# Altium PCB STM32MP25XXAK_LPDDR4_ascii.PcbDoc (part 1 of 5) (continued)
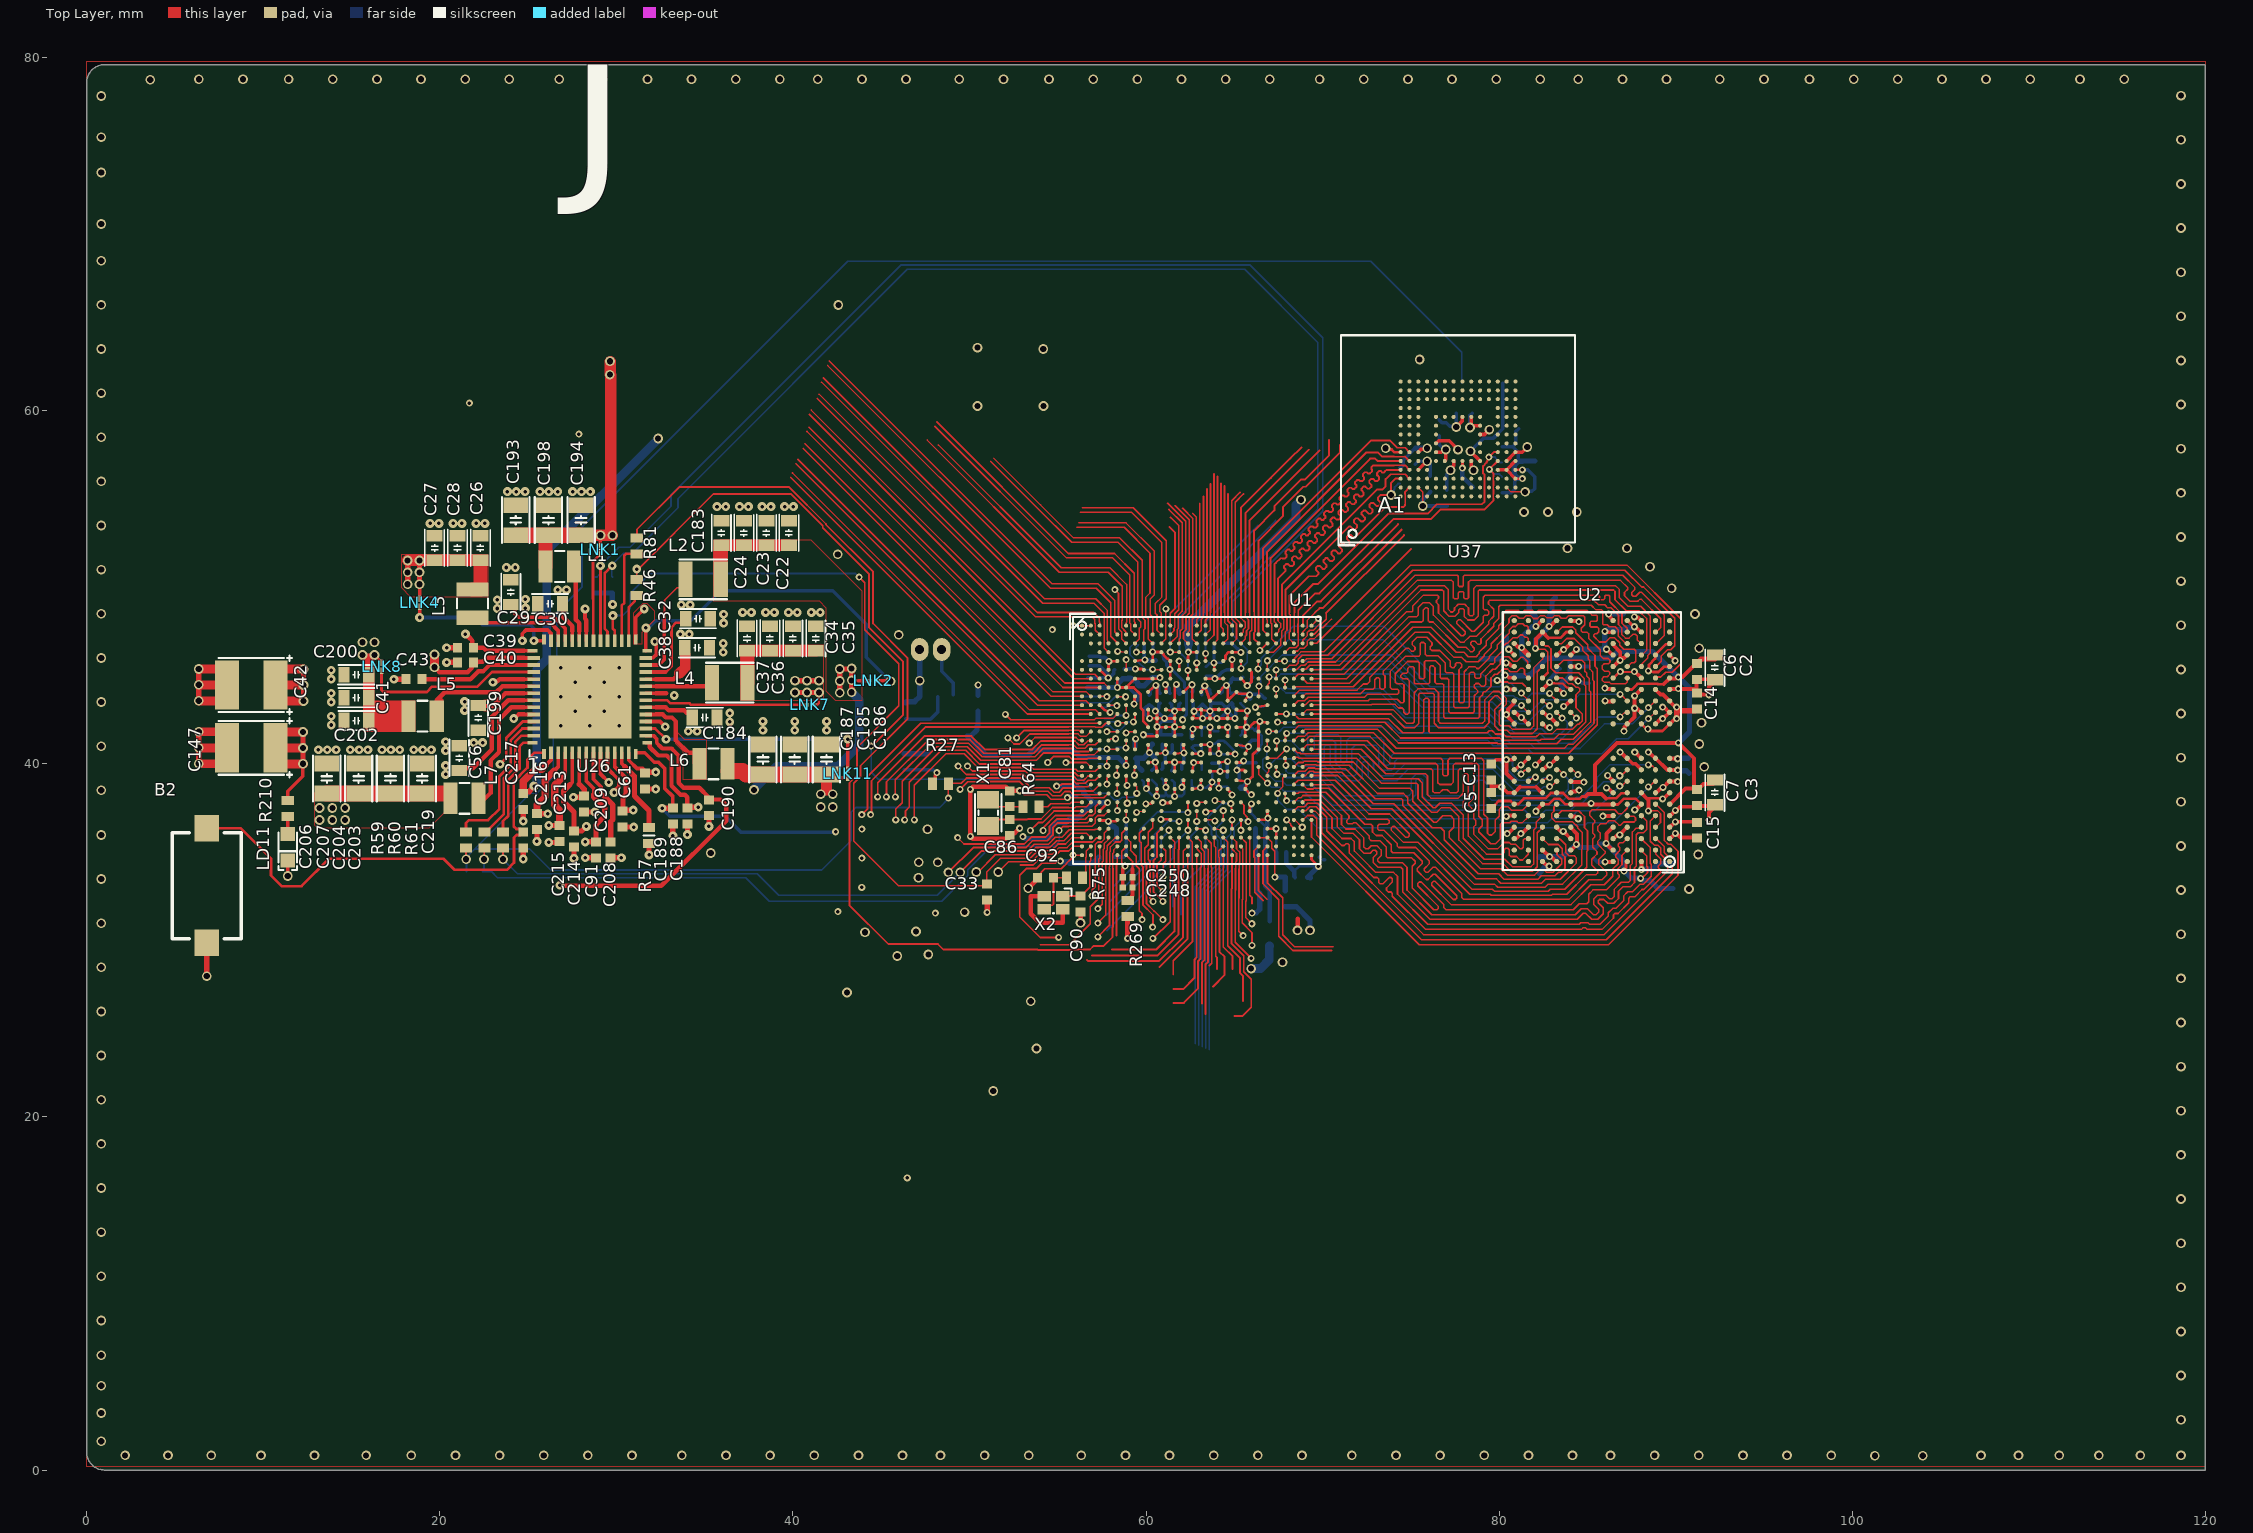
[diagram p0: Top Layer view]
## Design rules (kind name [scope] priority, off if disabled: settings) (continued)
SolderMaskExpansion [All] p0: scope1count=1 scope1_0_kind=Board scope1_0_value=Board scope2count=1 scope2_0_kind=Board scope2_0_value=Board commentlength=0 expansion=0.1
SolderMaskExpansion [All] p1: expansion=0.1 istentingtop=FALSE
UnRoutedNet [All] p0 off: scope1count=1 scope1_0_kind=Board scope1_0_value=Board scope2count=1 scope2_0_kind=Board scope2_0_value=Board commentlength=0
UnRoutedNet [All] p1 off:
UnpouredPolygon [All] p0: scope1count=1 scope1_0_kind=Board scope1_0_value=Board scope2count=1 scope2_0_kind=Board scope2_0_value=Board commentlength=0
ViasUnderSMD [All] p0: scope1count=1 scope1_0_kind=PadClass scope1_0_value=PC_VIAS-IN-PAD_OK scope2count=1 scope2_0_kind=Board scope2_0_value=Board commentlength=0 allowed=TRUE
ViasUnderSMD [InPadClass('PC_VIAS-IN-PAD_OK')] p1: allowed=TRUE
Width Width_Default [All] p0: scope1count=1 scope1_0_kind=Net scope1_0_value=GND scope2count=1 scope2_0_kind=Board scope2_0_value=Board commentlength=0 maxlimit=10 minlimit=0.09 preferedwidth=0.3
Width Width_SINGLE_DDR_55R [All] p0 off: scope1count=1 scope1_0_kind=NetClass scope1_0_value=55H scope2count=1 scope2_0_kind=Board scope2_0_value=Board commentlength=0 maxlimit=0.199 minlimit=0.078 preferedwidth=0.199
Width Width_SINGLE_50R [All] p0 off: scope1count=1 scope1_0_kind=NetClass scope1_0_value=50H scope2count=1 scope2_0_kind=Board scope2_0_value=Board commentlength=0 maxlimit=0.199 minlimit=0.078 preferedwidth=0.199
Width Width_SINGLE_50R [InNetClass('50H')] p1 off: maxlimit=0.199 minlimit=0.078 preferedwidth=0.199 toplayer_minwidth=0.09 toplayer_maxwidth=0.11 toplayer_prefwidth=0.11 bottomlayer_minwidth=0.11 bottomlayer_maxwidth=0.11 bottomlayer_prefwidth=0.11 impedanceprofiledriven=TRUE impedanceprofileid={152E730A-FDA4-4006-BF82-0EE0D5C1A339} impedanceprofilevalue=50.000000 minimp=50.000000 maximp=50.000000 favimp=50.000000
Width Width_SINGLE_DDR_55R [InNetClass('55H')] p2 off: maxlimit=0.199 minlimit=0.078 preferedwidth=0.199 toplayer_minwidth=0.09 toplayer_maxwidth=0.09 toplayer_prefwidth=0.09 bottomlayer_minwidth=0.09 bottomlayer_maxwidth=0.09 bottomlayer_prefwidth=0.09 impedanceprofiledriven=TRUE impedanceprofileid={D5948A69-504E-4D29-B9E5-77B49DDD78E4} impedanceprofilevalue=55.000000 minimp=50.000000 maximp=50.000000 favimp=50.000000
Width Width_Default [InNet('GND')] p3: maxlimit=10 minlimit=0.09 preferedwidth=0.3 toplayer_prefwidth=0.09 bottomlayer_prefwidth=0.09 minimp=50.000000 maximp=50.000000 favimp=50.000000
15 further rules are at their usual default settings.

## Classes and differential pairs
net class 100H: DDR_CLK_A_N DDR_CLK_A_P DDR_CLK_B_N DDR_CLK_B_P DDR_DQS0_A_N DDR_DQS0_A_P DDR_DQS0_B_N DDR_DQS0_B_P DDR_DQS1_A_N DDR_DQS1_A_P DDR_DQS1_B_N DDR_DQS1_B_P
net class eMMC.SDMMC2_D[0..7]: eMMC.SDMMC2_CK eMMC.SDMMC2_CMD eMMC.SDMMC2_D0 eMMC.SDMMC2_D1 eMMC.SDMMC2_D2 eMMC.SDMMC2_D3 eMMC.SDMMC2_D4 eMMC.SDMMC2_D5 eMMC.SDMMC2_D6 eMMC.SDMMC2_D7
component class U_eMMC: C9 C117 C118 C128 C130 C148 D7 R101 R103 R104 R248 TP21 U37
component class "U_STM32MP25XXAK I_Os": C33 C81 C86 C90 C92 R27 R64 R75 R260 R261 R272 U1 X1 X2
component class "U_STM32MP25XXAK Power": C44 C45 C46 C47 C48 C49 C50 C51 C52 C53 C54 C55 C57 C58 C59 C60 C62 C63 C64 C65 C66 C67 C68 C69 C70 C71 C72 C73 C74 C75 C76 C77 C82 C83 C87 C88 C151 C192 C195 C196 C197 C201 C205 C220 C225 C234 C235 C236 C237 C238 C239 C240 C244 C246 C248 C250 C251 C252 C253 C260 CN12 D6 R11 R66 R67 R267 R269 R286
component class U_PMIC: B2 C22 C23 C24 C26 C27 C28 C29 C30 C32 C34 C35 C36 C37 C38 C39 C40 C41 C42 C43 C56 C61 C91 C147 C183 C184 C185 C186 C187 C188 C189 C190 C193 C194 C198 C199 C200 C202 C203 C204 C206 C207 C208 C209 C213 C214 C215 C216 C217 C219 L1 L2 L3 L4 L5 L6 L7 LD11 LNK1 LNK2 LNK4 LNK7 LNK8 LNK11 R46 R57 R59 R60 R61 R81 R210 U26
differential pair CLKB: +DDR_CLK_B_P -DDR_CLK_B_N
differential pair CLKA: +DDR_CLK_A_P -DDR_CLK_A_N
differential pair DQS1B: +DDR_DQS1_B_P -DDR_DQS1_B_N
differential pair DQS0B: +DDR_DQS0_B_P -DDR_DQS0_B_N
differential pair DQS1A: +DDR_DQS1_A_P -DDR_DQS1_A_N
differential pair " ": +DDR_DQS0_A_P -DDR_DQS0_A_N

## Components (designator, comment, footprint, x,y, rotation, side; value= is the part's Value field where it differs from the comment)
B2 "SW_PUSH_SMD_2P" SWI_WE_434121025816 6.795,33.104 r90 top
C2 "Capacitor" C0603 92.225,45.46 r90 top
C3 "Capacitor" C0603 92.225,38.385 r90 top
C4 "100nF" C0402 81.63,45.397 r90 bottom
C5 "100nF" C0402 79.559,37.929 r90 top
C6 "100nF" C0402 91.209,45.24 r270 top
C7 "100nF" C0402 91.209,38.09 r270 top
C8 "100nF" C0402 83.461,44.99 r90 bottom
C9 "Capacitor" C0402 76.615,59.03 r270 bottom
C10 "Capacitor" C0603 82.486,49.415 r0 bottom
C11 "Capacitor" C0603 89.736,33.615 r270 bottom
C12 "100nF" C0402 80.861,47.18 r0 bottom
C13 "100nF" C0402 79.559,39.529 r270 top
C14 "100nF" C0402 91.209,43.565 r90 top
C15 "100nF" C0402 91.209,36.24 r270 top
C16 "100nF" C0402 82.461,48.39 r180 bottom
C17 "100nF" C0402 87.036,48.04 r90 bottom
C18 "100nF" C0402 88.711,33.69 r90 bottom
C19 "100nF" C0402 82.261,34.255 r270 bottom
C20 "100nF" C0402 90.736,39.94 r270 bottom
C21 "100nF" C0402 85.111,45.015 r90 bottom
C22 "Capacitor" C0603 39.775,53.075 r270 top
C23 "Capacitor" C0603 38.5,53.075 r270 top
C24 "Capacitor" C0603 37.225,53.075 r270 top
C26 "Capacitor" C0603 22.3,52.225 r270 top
C27 "Capacitor" C0603 19.7,52.225 r270 top
C28 "Capacitor" C0603 21,52.225 r270 top
C29 "Capacitor" C0603 24.025,49.725 r270 top
C30 "Capacitor" C0603 26.25,49.075 r0 top
C32 "Capacitor" C0603 34.625,48.225 r180 top
C33 "Capacitor" C0402 51,32.75 r90 top
C34 "Capacitor" C0603 40,47.1 r270 top
C35 "Capacitor" C0603 41.3,47.1 r270 top
C36 "Capacitor" C0603 38.7,47.1 r270 top
C37 "Capacitor" C0603 37.4,47.1 r270 top
C38 "Capacitor" C0603 34.575,46.575 r180 top
C39 "Capacitor" C0402 21.445,46.575 r0 top
C40 "Capacitor" C0402 21.445,45.75 r0 top
C41 "Capacitor" C0603 15.275,43.75 r0 top
C42 "Cap_POL_TANA" CPOL_TCJ-B_1210_H210 9.311,44.468 r180 top
C43 "Capacitor" C0402 18.535,44.8 r0 top
C44 "1uF" C0201_MURATA_GRM033_H0P3 60.351,41.38 r270 bottom
C45 "1uF" C0201_MURATA_GRM033_H0P3 60.16,43.67 r270 bottom
C46 "1uF" C0201_MURATA_GRM033_H0P3 60.915,41.38 r90 bottom
C47 "1uF" C0201_MURATA_GRM033_H0P3 61.476,41.356 r270 bottom
C48 "1uF" C0201_MURATA_GRM033_H0P3 62.038,41.382 r90 bottom
C49 "1uF" C0201_MURATA_GRM033_H0P3 61.35,43.725 r270 bottom
C50 "1uF" C0201_MURATA_GRM033_H0P3 61.9,43.725 r270 bottom
C51 "1uF" C0201_MURATA_GRM033_H0P3 60.8,43.725 r270 bottom
C52 "1uF" C0201_MURATA_GRM033_H0P3 63.162,41.332 r270 bottom
C53 "1uF" C0201_MURATA_GRM033_H0P3 64.083,41.581 r270 bottom
C54 "1uF" C0201_MURATA_GRM033_H0P3 64.706,41.304 r270 bottom
C55 "1uF" C0201_MURATA_GRM033_H0P3 62.6,41.2 r270 bottom
C56 "Capacitor" C0603 21.1,40.325 r270 top
C57 "1uF" C0201_MURATA_GRM033_H0P3 62.592,39.328 r270 bottom
C58 "1uF" C0201_MURATA_GRM033_H0P3 64.607,38.972 r270 bottom
C59 "1uF" C0201_MURATA_GRM033_H0P3 63.714,39.761 r270 bottom
C60 "1uF" C0201_MURATA_GRM033_H0P3 63.154,39.397 r270 bottom
C61 "Capacitor" C0402 31.625,39.02 r90 top
C62 "1uF" C0201_MURATA_GRM033_H0P3 63.2,43.65 r90 bottom
C63 "1uF" C0201_MURATA_GRM033_H0P3 62.65,43.73 r270 bottom
C64 "1uF" C0201_MURATA_GRM033_H0P3 64.85,43.725 r270 bottom
C65 "1uF" C0201_MURATA_GRM033_H0P3 63.75,43.75 r90 bottom
C66 "1uF" C0201_MURATA_GRM033_H0P3 64.915,45.16 r90 bottom
C67 "1uF" C0201_MURATA_GRM033_H0P3 63.4,45.225 r270 bottom
C68 "1uF" C0201_MURATA_GRM033_H0P3 64.3,43.7 r270 bottom
C69 "1uF" C0201_MURATA_GRM033_H0P3 64.305,45.477 r270 bottom
C70 "1uF" C0201_MURATA_GRM033_H0P3 59.805,39.35 r90 bottom
C71 "1uF" C0201_MURATA_GRM033_H0P3 60.355,39.35 r270 bottom
C72 "1uF" C0201_MURATA_GRM033_H0P3 60.905,39.423 r270 bottom
C73 "1uF" C0201_MURATA_GRM033_H0P3 61.467,39.349 r90 bottom
C74 "1uF" C0201_MURATA_GRM033_H0P3 62.03,39.408 r270 bottom
C75 "1uF" C0201_MURATA_GRM033_H0P3 66.205,41.625 r90 bottom
C76 "1uF" C0201_MURATA_GRM033_H0P3 65.274,38.923 r270 bottom
C77 "1uF" C0201_MURATA_GRM033_H0P3 66.25,40.325 r270 bottom
C81 "Capacitor" C0402 52.285,38.025 r90 top
C82 "1uF" C0201_MURATA_GRM033_H0P3 65.325,41.325 r90 bottom
C83 "1uF" C0201_MURATA_GRM033_H0P3 65.395,43.725 r270 bottom
C86 "Capacitor" C0402 52.285,36.4 r270 top
C87 "" C0402 50.485,43.438 r270 bottom
C88 "Capacitor" C0402 46.382,43.015 r270 bottom
C90 "Capacitor" C0402 56.293,32.06 r90 top
C91 "Capacitor" C0402 28.85,35.13 r270 top
C92 "Capacitor" C0402 54.309,33.546 r180 top
C117 "Capacitor" C0402 78.025,59.864 r0 bottom
C118 "Capacitor" C0402 75.26,57.43 r90 bottom
C128 "Capacitor" C0402 82.015,56.705 r90 bottom
C130 "Capacitor" C0402 77.027,55.055 r270 bottom
C147 "Cap_POL_TANA" CPOL_TCJ-B_1210_H210 9.311,40.906 r180 top
C148 "Capacitor" C0402 76.11,55.855 r270 bottom
C151 "Capacitor" C0201_MURATA_GRM033_H0P3 66.446,35.716 r0 bottom
C183 "Capacitor" C0603 35.95,53.075 r270 top
C184 "Capacitor" C0603 34.997,42.625 r180 top
C185 "Capacitor" C0805 40.1,40.25 r270 top
C186 "Capacitor" C0805 41.9,40.25 r270 top
C187 "Capacitor" C0805 38.3,40.25 r270 top
C188 "Capacitor" C0402 34.025,37.04 r90 top
C189 "Capacitor" C0402 33.2,37.04 r90 top
C190 "Capacitor" C0402 35.25,37.515 r270 top
C192 "Capacitor" C0201_MURATA_GRM033_H0P3 56.8,45.825 r90 bottom
C193 "Capacitor" C0805 24.3,53.8 r270 top
C194 "Capacitor" C0805 28,53.8 r270 top
C195 "Capacitor" C0201_MURATA_GRM033_H0P3 62.675,46.787 r180 bottom
C196 "Capacitor" C0201_MURATA_GRM033_H0P3 60.8,45.85 r0 bottom
C197 "Capacitor" C0201_MURATA_GRM033_H0P3 58.625,45.425 r0 bottom
C198 "Capacitor" C0805 26.15,53.8 r270 top
C199 "Capacitor" C0603 22.175,42.6 r90 top
C200 "Capacitor" C0603 15.275,45.05 r0 top
C201 "Capacitor" C0201_MURATA_GRM033_H0P3 57.375,45.825 r90 bottom
C202 "Capacitor" C0603 15.275,42.45 r0 top
C203 "Capacitor" C0805 19,39.173 r270 top
C204 "Capacitor" C0805 17.2,39.173 r270 top
C205 "Capacitor" C0201_MURATA_GRM033_H0P3 60.177,46.829 r0 bottom
C206 "Capacitor" C0805 13.6,39.173 r270 top
C207 "Capacitor" C0805 15.4,39.173 r270 top
C208 "Capacitor" C0402 29.675,35.13 r270 top
C209 "Capacitor" C0402 30.35,36.87 r90 top
C213 "Capacitor" C0402 28.175,37.72 r90 top
C214 "Capacitor" C0402 27.6,35.75 r270 top
C215 "Capacitor" C0402 26.775,36.06 r270 top
C216 "Capacitor" C0402 25.5,36.725 r90 top
C217 "Capacitor" C0402 24.725,37.87 r270 top
C219 "Capacitor" C0402 24.727,35.695 r90 top
C220 "Capacitor" C0201_MURATA_GRM033_H0P3 59.609,44.131 r90 bottom
C225 "Capacitor" C0201_H0P5 59.425,40.6 r90 bottom
C234 "Capacitor" C0201_MURATA_GRM033_H0P3 56.064,38.473 r90 bottom
C235 "Capacitor" C0201_H0P5 58.575,35.625 r0 bottom
C236 "Capacitor" C0201_MURATA_GRM033_H0P3 57.35,44.6 r270 bottom
C237 "Capacitor" C0201_MURATA_GRM033_H0P3 56.696,44.605 r270 bottom
C238 "Capacitor" C0201_MURATA_GRM033_H0P3 65.758,44.894 r0 bottom
C239 "Capacitor" C0201_MURATA_GRM033_H0P3 64.125,46.837 r0 bottom
C240 "Capacitor" C0201_MURATA_GRM033_H0P3 59.05,44.575 r90 bottom
C244 "Capacitor" C0201_MURATA_GRM033_H0P3 58.6,36.331 r0 bottom
C246 "Capacitor" C0201_MURATA_GRM033_H0P3 67.666,34.986 r180 bottom
C248 "Capacitor" C0201_MURATA_GRM033_H0P3 58.958,33.002 r0 top
C250 "Capacitor" C0201_MURATA_GRM033_H0P3 58.958,33.572 r0 top
C251 "Capacitor" C0201_MURATA_GRM033_H0P3 68.165,33.588 r180 bottom
C252 "Capacitor" C0201_MURATA_GRM033_H0P3 66.255,36.575 r90 bottom
C253 "Capacitor" C0201_MURATA_GRM033_H0P3 67.666,34.367 r180 bottom
C260 "Capacitor" C0201_MURATA_GRM033_H0P3 66.473,35.094 r0 bottom
CN12 "" CON_MOLEX_53047-0210 47.8,46.475 r180 bottom
D6 "DIODE_3P_DUAL_COMMON_CATHODE" DIO_SOT23 48.773,41.573 r90 bottom
D7 "BAT60JFILM" DIO_SOD323 79.125,61.563 r180 bottom
L1 "Inductor" IND_2016_MURATA_LQM2MPN2R2NG0 26.795,51.175 r180 top
L2 "Inductor" IND_2520_TOKO_DFE252012P 34.915,50.45 r0 top
L3 "Inductor" IND_2016_MURATA_LQM2MPN2R2NG0 21.85,49.075 r90 top
L4 "Inductor" IND_2520_TOKO_DFE252012P 36.425,44.6 r0 top
L5 "Inductor" IND_2016_MURATA_LQM2MPN2R2NG0 19.025,42.7 r180 top
L6 "Inductor" IND_2016_MURATA_LQM2MPN2R2NG0 35.5,40 r0 top
L7 "Inductor" IND_2016_MURATA_LQM2MPN2R2NG0 21.4,38.05 r180 top
LD11 "LED_green" LED_0603_OSRAM_LG-Q396-PS-35_GREEN_1A2K_H0P4 11.386,35.272 r270 top
LNK1 "link_200" LINK200 29.1,52.123 r0 top
LNK2 "link_200" LINK200 44.541,44.7 r90 top
LNK4 "link_200" LINK200 18.85,49.125 r180 top
LNK7 "link_200" LINK200 40.95,43.35 r270 top
LNK8 "link_200" LINK200 16.7,45.498 r0 top
LNK11 "link_200" LINK200 43.1,39.44 r180 top
R1 "Resistor" R0201_H0P23 66.751,43.42 r270 bottom
R2 "Resistor" R0201_H0P23 85.461,34.965 r90 bottom
R11 "Resistor" R0603 67,30.375 r90 bottom
R27 "Resistor" R0402 48.355,38.872 r180 top
R42 "Resistor" R0402 78.986,45.505 r270 bottom
R46 "" R0402 31.15,49.998 r270 top
R57 "" R0402 31.85,35.95 r90 top
R59 "" R0402 21.48,35.695 r90 top
R60 "" R0402 22.53,35.695 r90 top
R61 "" R0402 23.58,35.695 r90 top
R64 "" R0402 53.485,37.575 r180 top
R66 "Resistor" R0402 48.633,43.917 r180 bottom
R67 "Resistor" R0402 46.3,40.125 r270 bottom
R75 "" R0402 55.959,33.546 r0 top
R81 "" R0402 31.163,52.348 r270 top
R101 "Resistor" R0402 74.375,56.325 r90 bottom
R103 "Resistor" R0402 80.171,57.511 r90 bottom
R104 "Resistor" R0402 80.175,55.805 r270 bottom
R210 "Resistor" R0402 11.386,37.465 r270 top
R248 "Resistor" R0402 80.657,58.98 r0 bottom
R260 "Resistor" R0402 28.805,50.13 r270 bottom
R261 "Resistor" R0402 29.78,50.13 r270 bottom
R267 "" R0402 57.773,34.723 r180 bottom
R269 "" R0402 58.956,31.808 r90 top
R272 "Resistor" R0402 21.95,33.879 r0 bottom
R286 "" R0402 67.89,32.365 r90 bottom
TP21 "Test Point" TP_SMD_1MM 78.516,55.665 r90 bottom
U1 "STM32MP257FAK3" ICC_TFBGA424_14X14_P050_H1P20_CODE-B0A2 62.875,41.325 r0 top locked
U2 "MT53E1G32D2FW-046 WT:C" ICC_TFBGA200_10X14P5_P080_H1P05_PS0P3 85.26,41.29 r180 top locked
U26 "STPMIC25APQR" ICC_QFN56-EPAD_6P5X6P5_P040 28.5,43.8 r90 top
U37 "eMMC_THGBMTG5D1LBAIL" ICC_P-WFBGA153_13X11P5_P050 77.675,58.405 r0 top locked
X1 "XTAL_2_PINS" CRY_NX2012SA_2P 51.059,37.225 r270 top
X2 "XTAL_4_PINS" CRY_NX1612SA_4P 54.759,32.135 r180 top

## Footprints (in the part's own frame and the unit in brackets; to place one, negate y for a bottom-side part, rotate by r counter-clockwise, add the part's x,y. Pads: shape width x height; smd on the part's side, far side on the other; paste and mask are expansions set on the pad)
C0201_H0P5 [mm] "MCD-01534"
  rect 0.4x0.5 smd mask+0: 1(-0.3,0) 2(0.3,0)
C0201_MURATA_GRM033_H0P3 [mm] "GRM033R60J105ME11"
  rect 0.35x0.35 smd mask+0: 1(-0.275,0) 2(0.275,0)
C0402 [mm]
  rect 0.51x0.56 smd mask+0: 1(-0.45,0) 2(0.45,0)
C0603 [mm]
  rect 0.64x0.89 smd mask+0: 1(-0.7,0) 2(0.7,0)
  silkscreen extent -1.05,-0.55 1.02,0.55
C0805 [mm]
  rect 0.9x1.4 smd mask+0: 1(-0.85,0) 2(0.85,0)
  silkscreen extent -1.3,-0.77 1.3,0.77
CON_MOLEX_53047-0210 [mm]
  oval 1x1.3 hole 0.5 mask+0: 1(-0.625,0) 2(0.625,0)
  silkscreen extent -2.12,-1.15 2.13,2.05
CPOL_TCJ-B_1210_H210 [mm] "MCD-01791"
  rect 1.35x2.8 smd mask+0: 1(-1.375,0) 2(1.375,0)
  silkscreen extent -2.33,-1.68 1.85,1.68
CRY_NX1612SA_4P [mm] "MCD-02262"
  rect 0.75x0.6 smd mask+0: 1(-0.525,-0.375) 2(0.525,-0.375) 3(0.525,0.375) 4(-0.525,0.375)
  silkscreen extent -1.02,-0.8 0.03,0.6
CRY_NX2012SA_2P [mm]
  rect 1x1.25 smd mask+0: 1(-0.75,0) 2(0.75,0)
  silkscreen extent -1.05,-0.75 1.05,0.75
DIO_SOD323 [mm]
  rect 1.06x0.54 smd mask+0: 1(-1.07,0) 2(1.07,0)
  silkscreen extent -0.9,-0.72 0.9,0.72
DIO_SOT23 [mm]
  rect 1x1.4 smd mask+0: 1(-0.95,-1.1) 2(0.95,-1.1) 3(0,1.1)
  silkscreen extent -1.63,-0.82 1.63,0.82
ICC_P-WFBGA153_13X11P5_P050 [mm]
  round 0.23 smd mask+0: A1(-3.25,-3.25) A2(-3.25,-2.75) A3(-3.25,-2.25) A4(-3.25,-1.75) A5(-3.25,-1.25) A6(-3.25,-0.75) A7(-3.25,-0.25) A8(-3.25,0.25) A9(-3.25,0.75) A10(-3.25,1.25) A11(-3.25,1.75) A12(-3.25,2.25) A13(-3.25,2.75) A14(-3.25,3.25) B1(-2.75,-3.25) B2(-2.75,-2.75) B3(-2.75,-2.25) B4(-2.75,-1.75) B5(-2.75,-1.25) B6(-2.75,-0.75) B7(-2.75,-0.25) B8(-2.75,0.25) B9(-2.75,0.75) B10(-2.75,1.25) B11(-2.75,1.75) B12(-2.75,2.25) B13(-2.75,2.75) B14(-2.75,3.25) C1(-2.25,-3.25) C2(-2.25,-2.75) C3(-2.25,-2.25) C4(-2.25,-1.75) C5(-2.25,-1.25) C6(-2.25,-0.75) C7(-2.25,-0.25) C8(-2.25,0.25) C9(-2.25,0.75) C10(-2.25,1.25) C11(-2.25,1.75) C12(-2.25,2.25) C13(-2.25,2.75) C14(-2.25,3.25) D1(-1.75,-3.25) D2(-1.75,-2.75) D3(-1.75,-2.25) D4(-1.75,-1.75) D12(-1.75,2.25) D13(-1.75,2.75) D14(-1.75,3.25) E1(-1.25,-3.25) E2(-1.25,-2.75) E3(-1.25,-2.25) E5(-1.25,-1.25) E6(-1.25,-0.75) E7(-1.25,-0.25) E8(-1.25,0.25) E9(-1.25,0.75) E10(-1.25,1.25) E12(-1.25,2.25) E13(-1.25,2.75) E14(-1.25,3.25) F1(-0.75,-3.25) F2(-0.75,-2.75) F3(-0.75,-2.25) F5(-0.75,-1.25) F10(-0.75,1.25) F12(-0.75,2.25) F13(-0.75,2.75) F14(-0.75,3.25) G1(-0.25,-3.25) G2(-0.25,-2.75) G3(-0.25,-2.25) G5(-0.25,-1.25) G10(-0.25,1.25) G12(-0.25,2.25) G13(-0.25,2.75) G14(-0.25,3.25) H1(0.25,-3.25) H2(0.25,-2.75) H3(0.25,-2.25) H5(0.25,-1.25) H10(0.25,1.25) H12(0.25,2.25) H13(0.25,2.75) H14(0.25,3.25) J1(0.75,-3.25) J2(0.75,-2.75) J3(0.75,-2.25) J5(0.75,-1.25) J10(0.75,1.25) J12(0.75,2.25) J13(0.75,2.75) J14(0.75,3.25) K1(1.25,-3.25) K2(1.25,-2.75) K3(1.25,-2.25) K5(1.25,-1.25) K6(1.25,-0.75) K7(1.25,-0.25) K8(1.25,0.25) K9(1.25,0.75) K10(1.25,1.25) K12(1.25,2.25) K13(1.25,2.75) K14(1.25,3.25) L1(1.75,-3.25) L2(1.75,-2.75) L3(1.75,-2.25) L12(1.75,2.25) L13(1.75,2.75) L14(1.75,3.25) M1(2.25,-3.25) M2(2.25,-2.75) M3(2.25,-2.25) M4(2.25,-1.75) M5(2.25,-1.25) M6(2.25,-0.75) M7(2.25,-0.25) M8(2.25,0.25) M9(2.25,0.75) M10(2.25,1.25) M11(2.25,1.75) M12(2.25,2.25) M13(2.25,2.75) M14(2.25,3.25) N1(2.75,-3.25) N2(2.75,-2.75) N3(2.75,-2.25) N4(2.75,-1.75) N5(2.75,-1.25) N6(2.75,-0.75) N7(2.75,-0.25) N8(2.75,0.25) N9(2.75,0.75) N10(2.75,1.25) N11(2.75,1.75) N12(2.75,2.25) N13(2.75,2.75) N14(2.75,3.25) P1(3.25,-3.25) P2(3.25,-2.75) P3(3.25,-2.25) P4(3.25,-1.75) P5(3.25,-1.25) P6(3.25,-0.75) P7(3.25,-0.25) P8(3.25,0.25) P9(3.25,0.75) P10(3.25,1.25) P11(3.25,1.75) P12(3.25,2.25) P13(3.25,2.75) P14(3.25,3.25)
  silkscreen extent -6.78,-6.02 6.63,5.87
ICC_QFN56-EPAD_6P5X6P5_P040 [mm] "MCD-03000"
  rect 0.55x0.21 smd mask+0: 1(-3.245,2.6) 14(-3.245,-2.6) 29(3.245,-2.6) 42(3.245,2.6)
  rect 0.7x0.21 smd mask+0: 2(-3.17,2.2) 3(-3.17,1.8) 4(-3.17,1.4) 5(-3.17,1) 6(-3.17,0.6) 7(-3.17,0.2) 8(-3.17,-0.2) 9(-3.17,-0.6) 10(-3.17,-1) 11(-3.17,-1.4) 12(-3.17,-1.8) 13(-3.17,-2.2) 30(3.17,-2.2) 31(3.17,-1.8) 32(3.17,-1.4) 33(3.17,-1) 34(3.17,-0.6) 35(3.17,-0.2) 36(3.17,0.2) 37(3.17,0.6) 38(3.17,1) 39(3.17,1.4) 40(3.17,1.8) 41(3.17,2.2)
  rect 0.21x0.55 smd mask+0: 15(-2.6,-3.245) 28(2.6,-3.245) 43(2.6,3.245) 56(-2.6,3.245)
  rect 0.21x0.7 smd mask+0: 16(-2.2,-3.17) 17(-1.8,-3.17) 18(-1.4,-3.17) 19(-1,-3.17) 20(-0.6,-3.17) 21(-0.2,-3.17) 22(0.2,-3.17) 23(0.6,-3.17) 24(1,-3.17) 25(1.4,-3.17) 26(1.8,-3.17) 27(2.2,-3.17) 44(2.2,3.17) 45(1.8,3.17) 46(1.4,3.17) 47(1,3.17) 48(0.6,3.17) 49(0.2,3.17) 50(-0.2,3.17) 51(-0.6,3.17) 52(-1,3.17) 53(-1.4,3.17) 54(-1.8,3.17) 55(-2.2,3.17)
  rect 4.7x4.7 smd mask+0: 57(0,0)
  silkscreen extent -3.44,3 -3.01,3.42
ICC_TFBGA200_10X14P5_P080_H1P05_PS0P3 [mm] "MCD-04012"
  round 0.3 smd mask+0: A1(-4.4,6.825) A2(-3.6,6.825) A3(-2.8,6.825) A4(-2,6.825) A5(-1.2,6.825) A8(1.2,6.825) A9(2,6.825) A10(2.8,6.825) A11(3.6,6.825) A12(4.4,6.825) AA1(-4.4,-6.175) AA2(-3.6,-6.175) AA3(-2.8,-6.175) AA4(-2,-6.175) AA5(-1.2,-6.175) AA8(1.2,-6.175) AA9(2,-6.175) AA10(2.8,-6.175) AA11(3.6,-6.175) AA12(4.4,-6.175) AB1(-4.4,-6.825) AB2(-3.6,-6.825) AB3(-2.8,-6.825) AB4(-2,-6.825) AB5(-1.2,-6.825) AB8(1.2,-6.825) AB9(2,-6.825) AB10(2.8,-6.825) AB11(3.6,-6.825) AB12(4.4,-6.825) B1(-4.4,6.175) B2(-3.6,6.175) B3(-2.8,6.175) B4(-2,6.175) B5(-1.2,6.175) B8(1.2,6.175) B9(2,6.175) B10(2.8,6.175) B11(3.6,6.175) B12(4.4,6.175) C1(-4.4,5.525) C2(-3.6,5.525) C3(-2.8,5.525) C4(-2,5.525) C5(-1.2,5.525) C8(1.2,5.525) C9(2,5.525) C10(2.8,5.525) C11(3.6,5.525) C12(4.4,5.525) D1(-4.4,4.875) D2(-3.6,4.875) D3(-2.8,4.875) D4(-2,4.875) D5(-1.2,4.875) D8(1.2,4.875) D9(2,4.875) D10(2.8,4.875) D11(3.6,4.875) D12(4.4,4.875) E1(-4.4,4.225) E2(-3.6,4.225) E3(-2.8,4.225) E4(-2,4.225) E5(-1.2,4.225) E8(1.2,4.225) E9(2,4.225) E10(2.8,4.225) E11(3.6,4.225) E12(4.4,4.225) F1(-4.4,3.575) F2(-3.6,3.575) F3(-2.8,3.575) F4(-2,3.575) F5(-1.2,3.575) F8(1.2,3.575) F9(2,3.575) F10(2.8,3.575) F11(3.6,3.575) F12(4.4,3.575) G1(-4.4,2.925) G2(-3.6,2.925) G3(-2.8,2.925) G4(-2,2.925) G5(-1.2,2.925) G8(1.2,2.925) G9(2,2.925) G10(2.8,2.925) G11(3.6,2.925) G12(4.4,2.925) H1(-4.4,2.275) H2(-3.6,2.275) H3(-2.8,2.275) H4(-2,2.275) H5(-1.2,2.275) H8(1.2,2.275) H9(2,2.275) H10(2.8,2.275) H11(3.6,2.275) H12(4.4,2.275) J1(-4.4,1.625) J2(-3.6,1.625) J3(-2.8,1.625) J4(-2,1.625) J5(-1.2,1.625) J8(1.2,1.625) J9(2,1.625) J10(2.8,1.625) J11(3.6,1.625) J12(4.4,1.625) K1(-4.4,0.975) K2(-3.6,0.975) K3(-2.8,0.975) K4(-2,0.975) K5(-1.2,0.975) K8(1.2,0.975) K9(2,0.975) K10(2.8,0.975) K11(3.6,0.975) K12(4.4,0.975) N1(-4.4,-0.975) N2(-3.6,-0.975) N3(-2.8,-0.975) N4(-2,-0.975) N5(-1.2,-0.975) N8(1.2,-0.975) N9(2,-0.975) N10(2.8,-0.975) N11(3.6,-0.975) N12(4.4,-0.975) P1(-4.4,-1.625) P2(-3.6,-1.625) P3(-2.8,-1.625) P4(-2,-1.625) P5(-1.2,-1.625) P8(1.2,-1.625) P9(2,-1.625) P10(2.8,-1.625) P11(3.6,-1.625) P12(4.4,-1.625) R1(-4.4,-2.275) R2(-3.6,-2.275) R3(-2.8,-2.275) R4(-2,-2.275) R5(-1.2,-2.275) R8(1.2,-2.275) R9(2,-2.275) R10(2.8,-2.275) R11(3.6,-2.275) R12(4.4,-2.275) T1(-4.4,-2.925) T2(-3.6,-2.925) T3(-2.8,-2.925) T4(-2,-2.925) T5(-1.2,-2.925) T8(1.2,-2.925) T9(2,-2.925) T10(2.8,-2.925) T11(3.6,-2.925) T12(4.4,-2.925) U1(-4.4,-3.575) U2(-3.6,-3.575) U3(-2.8,-3.575) U4(-2,-3.575) U5(-1.2,-3.575) U8(1.2,-3.575) U9(2,-3.575) U10(2.8,-3.575) U11(3.6,-3.575) U12(4.4,-3.575) V1(-4.4,-4.225) V2(-3.6,-4.225) V3(-2.8,-4.225) V4(-2,-4.225) V5(-1.2,-4.225) V8(1.2,-4.225) V9(2,-4.225) V10(2.8,-4.225) V11(3.6,-4.225) V12(4.4,-4.225) W1(-4.4,-4.875) W2(-3.6,-4.875) W3(-2.8,-4.875) W4(-2,-4.875) W5(-1.2,-4.875) W8(1.2,-4.875) W9(2,-4.875) W10(2.8,-4.875) W11(3.6,-4.875) W12(4.4,-4.875) Y1(-4.4,-5.525) Y2(-3.6,-5.525) Y3(-2.8,-5.525) Y4(-2,-5.525) Y5(-1.2,-5.525) Y8(1.2,-5.525) Y9(2,-5.525) Y10(2.8,-5.525) Y11(3.6,-5.525) Y12(4.4,-5.525)
  silkscreen extent -5.2,-7.3 5.05,7.45
ICC_TFBGA424_14X14_P050_H1P20_CODE-B0A2 [mm] "MCD_03375"
  round 0.23 smd paste+0.025 mask+0: 1A1(-2.75,2.75) 1A3(-1.75,2.75) 1A5(-0.75,2.75) 1A7(0.25,2.75) 1A9(1.25,2.75) 1A11(2.25,2.75) 1B2(-2.25,2.25) 1B4(-1.25,2.25) 1B6(-0.25,2.25) 1B8(0.75,2.25) 1B10(1.75,2.25) 1B12(2.75,2.25) 1C1(-2.75,1.75) 1C3(-1.75,1.75) 1C5(-0.75,1.75) 1C7(0.25,1.75) 1C9(1.25,1.75) 1C11(2.25,1.75) 1D2(-2.25,1.25) 1D4(-1.25,1.25) 1D6(-0.25,1.25) 1D8(0.75,1.25) 1D10(1.75,1.25) 1D12(2.75,1.25) 1E1(-2.75,0.75) 1E3(-1.75,0.75) 1E5(-0.75,0.75) 1E7(0.25,0.75) 1E9(1.25,0.75) 1E11(2.25,0.75) 1F2(-2.25,0.25) 1F4(-1.25,0.25) 1F6(-0.25,0.25) 1F8(0.75,0.25) 1F10(1.75,0.25) 1F12(2.75,0.25) 1G1(-2.75,-0.25) 1G3(-1.75,-0.25) 1G5(-0.75,-0.25) 1G7(0.25,-0.25) 1G9(1.25,-0.25) 1G11(2.25,-0.25) 1H2(-2.25,-0.75) 1H4(-1.25,-0.75) 1H6(-0.25,-0.75) 1H8(0.75,-0.75) 1H10(1.75,-0.75) 1H12(2.75,-0.75) 1J1(-2.75,-1.25) 1J3(-1.75,-1.25) 1J5(-0.75,-1.25) 1J7(0.25,-1.25) 1J9(1.25,-1.25) 1J11(2.25,-1.25) 1K2(-2.25,-1.75) 1K4(-1.25,-1.75) 1K6(-0.25,-1.75) 1K8(0.75,-1.75) 1K10(1.75,-1.75) 1K12(2.75,-1.75) 1L1(-2.75,-2.25) 1L3(-1.75,-2.25) 1L5(-0.75,-2.25) 1L7(0.25,-2.25) 1L9(1.25,-2.25) 1L11(2.25,-2.25) 1M2(-2.25,-2.75) 1M4(-1.25,-2.75) 1M6(-0.25,-2.75) 1M8(0.75,-2.75) 1M10(1.75,-2.75) 1M12(2.75,-2.75) A1(-6.5,6.5) A2(-6,6.5) A3(-5.5,6.5) A6(-4,6.5) A7(-3.5,6.5) A10(-2,6.5) A11(-1.5,6.5) A14(0,6.5) A15(0.5,6.5) A18(2,6.5) A19(2.5,6.5) A22(4,6.5) A23(4.5,6.5) A26(6,6.5) A27(6.5,6.5) AA1(-6.5,-3.5) AA2(-6,-3.5) AA3(-5.5,-3.5) AA5(-4.5,-3.5) AA7(-3.5,-3.5) AA9(-2.5,-3.5) AA11(-1.5,-3.5) AA13(-0.5,-3.5) AA15(0.5,-3.5) AA17(1.5,-3.5) AA19(2.5,-3.5) AA21(3.5,-3.5) AA23(4.5,-3.5) AA25(5.5,-3.5) AA26(6,-3.5) AB1(-6.5,-4) AB2(-6,-4) AB3(-5.5,-4) AB4(-5,-4) AB6(-4,-4) AB8(-3,-4) AB10(-2,-4) AB12(-1,-4) AB14(0,-4) AB16(1,-4) AB18(2,-4) AB20(3,-4) AB22(4,-4) AB24(5,-4) AB25(5.5,-4) AB26(6,-4) AB27(6.5,-4) AC2(-6,-4.5) AC3(-5.5,-4.5) AC5(-4.5,-4.5) AC7(-3.5,-4.5) AC9(-2.5,-4.5) AC11(-1.5,-4.5) AC13(-0.5,-4.5) AC15(0.5,-4.5) AC17(1.5,-4.5) AC19(2.5,-4.5) AC21(3.5,-4.5) AC23(4.5,-4.5) AC25(5.5,-4.5) AC26(6,-4.5) AC27(6.5,-4.5) AD3(-5.5,-5) AD4(-5,-5) AD6(-4,-5) AD8(-3,-5) AD10(-2,-5) AD12(-1,-5) AD14(0,-5) AD16(1,-5) AD18(2,-5) AD20(3,-5) AD22(4,-5) AD24(5,-5) AD25(5.5,-5) AE1(-6.5,-5.5) AE2(-6,-5.5) AE3(-5.5,-5.5) AE4(-5,-5.5) AE5(-4.5,-5.5) AE6(-4,-5.5) AE7(-3.5,-5.5) AE8(-3,-5.5) AE9(-2.5,-5.5) AE10(-2,-5.5) AE11(-1.5,-5.5) AE12(-1,-5.5) AE13(-0.5,-5.5) AE14(0,-5.5) AE15(0.5,-5.5) AE16(1,-5.5) AE17(1.5,-5.5) AE18(2,-5.5) AE19(2.5,-5.5) AE20(3,-5.5) AE21(3.5,-5.5) AE22(4,-5.5) AE23(4.5,-5.5) AE24(5,-5.5) AE25(5.5,-5.5) AE26(6,-5.5) AF1(-6.5,-6) AF2(-6,-6) AF3(-5.5,-6) AF5(-4.5,-6) AF6(-4,-6) AF7(-3.5,-6) AF9(-2.5,-6) AF10(-2,-6) AF11(-1.5,-6) AF13(-0.5,-6) AF14(0,-6) AF15(0.5,-6) AF17(1.5,-6) AF18(2,-6) AF19(2.5,-6) AF21(3.5,-6) AF22(4,-6) AF23(4.5,-6) AF25(5.5,-6) AF26(6,-6) AF27(6.5,-6) AG1(-6.5,-6.5) AG2(-6,-6.5) AG5(-4.5,-6.5) AG6(-4,-6.5) AG9(-2.5,-6.5) AG10(-2,-6.5) AG13(-0.5,-6.5) AG14(0,-6.5) AG17(1.5,-6.5) AG18(2,-6.5) AG21(3.5,-6.5) AG22(4,-6.5) AG25(5.5,-6.5) AG26(6,-6.5) AG27(6.5,-6.5) B1(-6.5,6) B2(-6,6) B3(-5.5,6) B5(-4.5,6) B6(-4,6) B7(-3.5,6) B9(-2.5,6) B10(-2,6) B11(-1.5,6) B13(-0.5,6) B14(0,6) B15(0.5,6) B17(1.5,6) B18(2,6) B19(2.5,6) B21(3.5,6) B22(4,6) B23(4.5,6) B25(5.5,6) B26(6,6) B27(6.5,6) C2(-6,5.5) C3(-5.5,5.5) C4(-5,5.5) C5(-4.5,5.5) C6(-4,5.5) C7(-3.5,5.5) C8(-3,5.5) C9(-2.5,5.5) C10(-2,5.5) C11(-1.5,5.5) C12(-1,5.5) C13(-0.5,5.5) C14(0,5.5) C15(0.5,5.5) C16(1,5.5) C17(1.5,5.5) C18(2,5.5) C19(2.5,5.5) C20(3,5.5) C21(3.5,5.5) C22(4,5.5) C23(4.5,5.5) C24(5,5.5) C25(5.5,5.5) C26(6,5.5) C27(6.5,5.5) D3(-5.5,5) D4(-5,5) D6(-4,5) D8(-3,5) D10(-2,5) D12(-1,5) D14(0,5) D16(1,5) D18(2,5) D20(3,5) D22(4,5) D24(5,5) D25(5.5,5) E1(-6.5,4.5) E2(-6,4.5) E3(-5.5,4.5) E5(-4.5,4.5) E7(-3.5,4.5) E9(-2.5,4.5) E11(-1.5,4.5) E13(-0.5,4.5) E15(0.5,4.5) E17(1.5,4.5) E19(2.5,4.5) E21(3.5,4.5) E23(4.5,4.5) E25(5.5,4.5) E26(6,4.5) F1(-6.5,4) F2(-6,4) F3(-5.5,4) F4(-5,4) F6(-4,4) F8(-3,4) F10(-2,4) F12(-1,4) F14(0,4) F16(1,4) F18(2,4) F20(3,4) F22(4,4) F24(5,4) F25(5.5,4) F26(6,4) F27(6.5,4) G2(-6,3.5) G3(-5.5,3.5) G5(-4.5,3.5) G7(-3.5,3.5) G9(-2.5,3.5) G11(-1.5,3.5) G13(-0.5,3.5) G15(0.5,3.5) G17(1.5,3.5) G19(2.5,3.5) G21(3.5,3.5) G23(4.5,3.5) G25(5.5,3.5) G26(6,3.5) G27(6.5,3.5) H3(-5.5,3) H4(-5,3) H6(-4,3) H22(4,3) H24(5,3) H25(5.5,3) J1(-6.5,2.5) J2(-6,2.5) J3(-5.5,2.5) J5(-4.5,2.5) J7(-3.5,2.5) J21(3.5,2.5) J23(4.5,2.5) J25(5.5,2.5) J26(6,2.5) K1(-6.5,2) K2(-6,2) K3(-5.5,2) K4(-5,2) K6(-4,2) K22(4,2) K24(5,2) K25(5.5,2) K26(6,2) K27(6.5,2) L2(-6,1.5) L3(-5.5,1.5) L5(-4.5,1.5) L7(-3.5,1.5) L21(3.5,1.5) L23(4.5,1.5) L25(5.5,1.5) L26(6,1.5) L27(6.5,1.5) M3(-5.5,1) M4(-5,1) M6(-4,1) M22(4,1) M24(5,1) M25(5.5,1) N1(-6.5,0.5) N2(-6,0.5) N3(-5.5,0.5) N5(-4.5,0.5) N7(-3.5,0.5) N21(3.5,0.5) N23(4.5,0.5) N25(5.5,0.5) N26(6,0.5) P1(-6.5,0) P2(-6,0) P3(-5.5,0) P4(-5,0) P6(-4,0) P22(4,0) P24(5,0) P25(5.5,0) P26(6,0) P27(6.5,0) R2(-6,-0.5) R3(-5.5,-0.5) R5(-4.5,-0.5) R7(-3.5,-0.5) R21(3.5,-0.5) R23(4.5,-0.5) R25(5.5,-0.5) R26(6,-0.5) R27(6.5,-0.5) T3(-5.5,-1) T4(-5,-1) T6(-4,-1) T22(4,-1) T24(5,-1) T25(5.5,-1) U1(-6.5,-1.5) U2(-6,-1.5) U3(-5.5,-1.5) U5(-4.5,-1.5) U7(-3.5,-1.5) U21(3.5,-1.5) U23(4.5,-1.5) U25(5.5,-1.5) U26(6,-1.5) V1(-6.5,-2) V2(-6,-2) V3(-5.5,-2) V4(-5,-2) V6(-4,-2) V22(4,-2) V24(5,-2) V25(5.5,-2) V26(6,-2) V27(6.5,-2) W2(-6,-2.5) W3(-5.5,-2.5) W5(-4.5,-2.5) W7(-3.5,-2.5) W21(3.5,-2.5) W23(4.5,-2.5) W25(5.5,-2.5) W26(6,-2.5) W27(6.5,-2.5) Y3(-5.5,-3) Y4(-5,-3) Y6(-4,-3) Y22(4,-3) Y24(5,-3) Y25(5.5,-3)
  silkscreen extent -7.17,-7 7,7.17
IND_2016_MURATA_LQM2MPN2R2NG0 [mm]
  rect 0.8x1.8 smd mask+0: 1(-0.8,0) 2(0.8,0)
  silkscreen extent -0.28,-0.87 0.28,0.87
IND_2520_TOKO_DFE252012P [mm]
  rect 0.8x2 smd mask+0: 1(-1,0) 2(1,0)
  silkscreen extent -1.35,-1.12 1.35,1.12
LED_0603_OSRAM_LG-Q396-PS-35_GREEN_1A2K_H0P4 [mm]
  rect 0.8x0.8 smd mask+0: 1(-0.75,0) 2(0.75,0)
  silkscreen extent -0.85,-0.53 1.28,0.53
LINK200 [mm]
  rect 0.2x0.35 smd paste-10 mask+0: 1(0,-0.225) 2(0,0.225)
R0201_H0P23 [mm] "MCD-00702"
  rect 0.4x0.5 smd mask+0: 1(-0.3,0) 2(0.3,0)
R0402 [mm]
  rect 0.51x0.7 smd mask+0: 1(-0.45,0) 2(0.45,0)
R0603 [mm]
  rect 0.64x1 smd mask+0: 1(-0.7,0) 2(0.7,0)
  silkscreen extent -1.05,-0.58 1.05,0.58
SWI_WE_434121025816 [mm] "MCD-03492"
  rect 1.5x1.4 smd: 1(-3.25,0) 2(3.25,0)
  silkscreen extent -3,-1.95 3,1.95
TP_SMD_1MM [mm]
  round 1 smd paste-10 mask+0: 1(0,0)
  silkscreen extent -0.7,-0.7 0.7,0.7

## Part data
B2: library part MCD-03492, "Switch tactile, SPST-NO, 50mA, 12V, 6x3.8mm"
C2 C3 C10 C11: library part MCD-01341, "Capacitor, MLCC, 10uF, 6V3, X5R, 20%, 0603, T=0,8mm"
C4 C5 C6 C7 C8 C9 C12 C13 C14 C15 C16 C17 C18 C19 C20 C21 C118 C130: library part MCD-00006, "Capacitor, MLCC, 100nF, 16V, X7R, +/-10%, 0402, T=0.5mm"
C22 C23 C24 C26 C27 C28 C34 C35 C36 C37 C41 C183 C200 C202: library part MCD-00100, "Capacitor, MLCC, 22uF, 6V3, X5R, +/-20%, 0603, T=0,8mm"
C29 C30 C32 C38 C56 C184 C199: library part MCD-00099, "Capacitor, MLCC, 10uF, 10V, X5R, +/-10%, 0603, T=0,8mm"
C33: library part MCD-00011, "Capacitor, MLCC, 10nF, 16V, X7R, 10%, 0402, T=0.5mm"
C39 C43 C188 C213 C216: library part MCD-00095, "Capacitor, MLCC, 1uF, 25V, X5R, +/-10%, 0402, T=0.5mm"
C40: library part MCD-03140, "Capacitor, MLCC, 10uF, 6.3V, X5R, +/-20%, 0402, T=0.5mm"
C42 C147: library part MCD-01796, "Capacitor, Tantalum, 100uF, 6V3, 40mR, +/-20%,  Type_B (3528 metric), T=1.9mm"
C44 C45 C46 C47 C48 C49 C50 C51 C52 C53 C54 C55 C57 C58 C59 C60 C62 C63 C64 C65 C66 C67 C68 C69 C70 C71 C72 C73 C74 C75 C76 C77 C82 C83 C151 C250 C252 C260: library part MCD-02377, "Capacitor, MLCC, 1uF, 6.3V, X5R, +/-20%, 0201, T=0,3mm"
C61 C91 C189 C190 C208 C209 C214 C215 C217: library part MCD-01356, "Capacitor, MLCC, 4.7uF, 6V3, X5R, +/-20%, 0402, T=0.5mm"
C81 C86 C90 C92: library part MCD-00674, "Capacitor, MLCC, 6.8pF, 50V, NPO, +-0.25pF, 0402, T=0.5mm"
C87: library part MCD-00006, "Capacitor,100nF,16V,X7R,10%,0402"
C88: library part MCD-01823, "Capacitor, MLCC, 2.2uF, 6V3, X5R,+/-10%, 0402, T=0.5mm"
C117 C128 C148: library part MCD-02606, "Capacitor, MLCC, 2.2uF, 6.3V, X5R, +/-10%, 0402, T=0.5mm"
C185 C186 C187 C193 C194 C198 C203 C204 C206 C207: library part MCD-03139, "Capacitor, MLCC, 22uF, 10V, X5R, +/-20%, 0805, T=1,25mm"
C192 C195 C196 C197 C201 C205 C220 C234 C236 C237 C238 C239 C240 C244 C246 C248 C251 C253: library part MCD-01535, "Capacitor, MLCC,100nF, 10V, X7R, +/-10%, 0201, T=0.3mm"
C219: library part MCD-02198, "Capacitor, MLCC, 10nF, 50V, X7R, +/-10%, 0402, T=0.5mm"
C225: library part MCD-01534, "Capacitor, MLCC, 4,7uF, 6V3, X5R, +/-20%, 0201, T=0.5mm"
C235: library part MCD-02235, "Capacitor, MLCC, 2.2uF, 10V, X5R,+/-10%, 0201, T=0.5mm"
CN12: library part MCD-00655, "Header 2 circuits, 1.25mm Pitch ,  Vertical, with Friction Lock"
D6: library part MCD-03280, "Diode, Schottky, Dual Common Cathode, 0V3, 300mA, 40V, SOT-23"
D7: library part MCD-00034
L1 L6: library part MCD-03143, "Inductor, 2.2uH, +/-20%, Itemp= 1700mA, Isat= 2400mA, 0R140, 0806, T=1mm"
L2 L4: library part MCD-03142, "Inductor, 0.68uH, +/-20%, Itemp= 3900mA, Isat= 5400mA, 0R031, 1008, T=1.2mm"
L3 L5 L7: library part MCD-03141, "Inductor, 0.68uH, +/-20%, Itemp= 3100mA, Isat= 4300mA, 0R043, 0806, T=1mm"
LD11: library part MCD-00588, "LED Green, 0603 SMD, Forward Voltage Typ=2V, Max=2.5V"
LNK1 LNK2 LNK4 LNK7 LNK8 LNK11: library part MCD-02777, "Track link on PCB 200um width for layout routing"
R1 R2: library part MCD-02253, "Resistor, 240R, 0201, +/-1%, 1/20W"
R11: library part MCD-00056, "Resistor, 0R, 0603, +/-5%, 1/10W"
R27 R101 R103 R104 R248 R272: library part MCD-00053, "Resistor,10K,0402,1%,1/16W"
R42: library part MCD-00053, "Resistor, 10K, 0402, +/-1%, 1/16W"
R46 R57 R59 R60 R61 R64 R75 R81 R267 R269 R286: library part MCD-00052, "Resistor,0R,0402,5%,1/16W"
R66: library part MCD-00058, "Resistor, 20R, 0402, +/-1%, 1/16W"
R67: library part MCD-00052, "Resistor, 0R, 0402, +/-5%, 1/16W"
R210: library part MCD-00441, "Resistor,270R,0402,1%,1/16W"
R260 R261: library part MCD-00068, "Resistor,1K5,0402,1%,1/16W"
TP21: library part MCD-00074, "Test Point 1mm"
U1: library part MCD-03375, "MPU , 2xCortex-A35@1.5GHz, Cortex-M33@400MHz, TFBGA 14x14, pitch 0.5, 808 KB SRAM, With Crypto"
U2: library part MCD-04160, "Memory, LPDDR4 SDRAM,1V8, 32Gbit, 2133MHz"
U26: library part MCD-03000, "STPMIC2"
U37: library part MCD-02799, "Memory, eMMC, 4GB, 15nm ,WFBGA , 153 pins"
X1: library part MCD-01479, "Crystal, 32.768kHz, 6pF, +/-20ppm, 80K, 2.05x1.2mm"
X2: library part MCD-02344, "Crystal, 40MHz, 6pF, +/-20ppm, 80R, 1.6x1.2mm"

## Via types
v1: diameter 0.55, hole 0.35, Top Layer to Bottom Layer, 277 vias
v2: diameter 0.4, hole 0.2, Top Layer to Bottom Layer, tented both sides, 229 vias
v3: diameter 0.5, hole 0.2, Top Layer to Bottom Layer, 146 vias
v4: diameter 0.4, hole 0.2, Top Layer to Bottom Layer, 105 vias